# Altium PCB waffling80-NMB.PcbDoc (part 1 of 3)
Units mm, origin at the board's own origin, x right, y up, seen from the top; angles counter-clockwise.
Board outline 343.71 x 123.53 mm, 2 copper layers (Component Side, Bottom Layer), stack 1.171 mm thick; 246 components, 143 nets, 1022 pads, 157 vias.
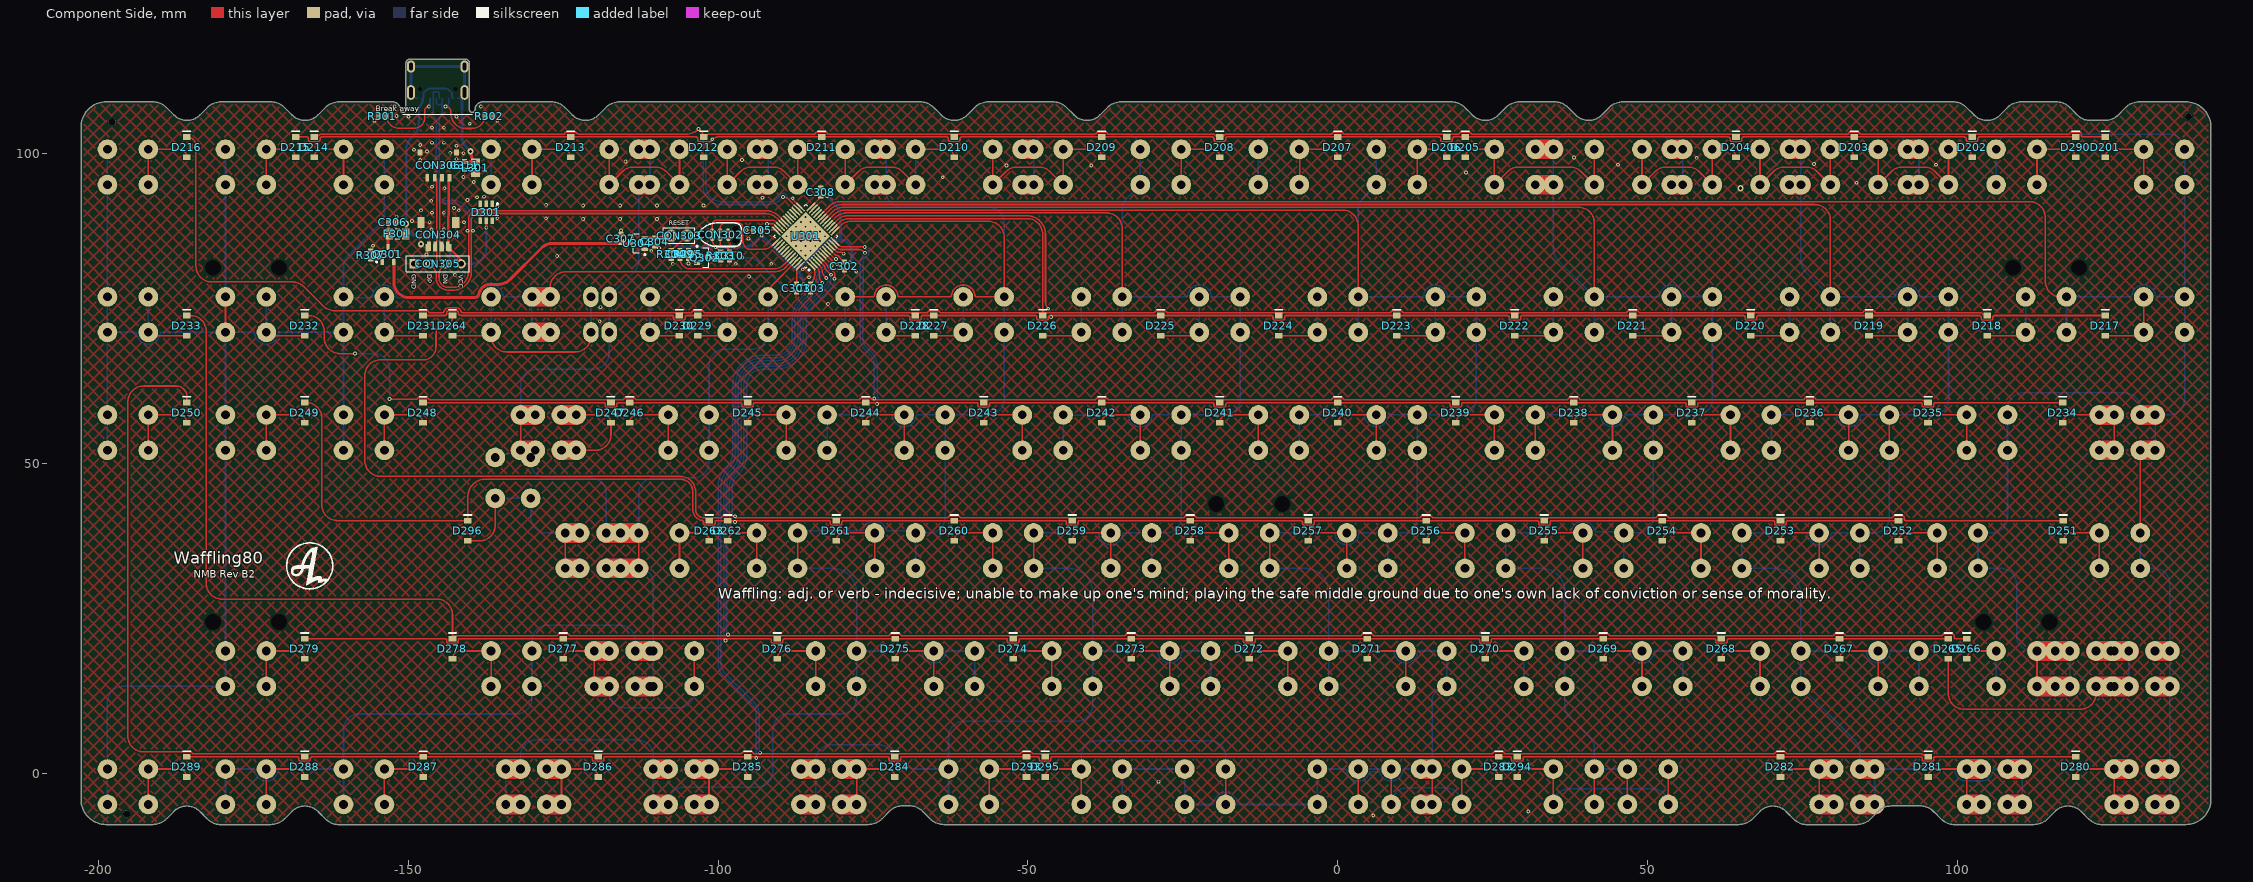
[diagram p0: Component Side view]
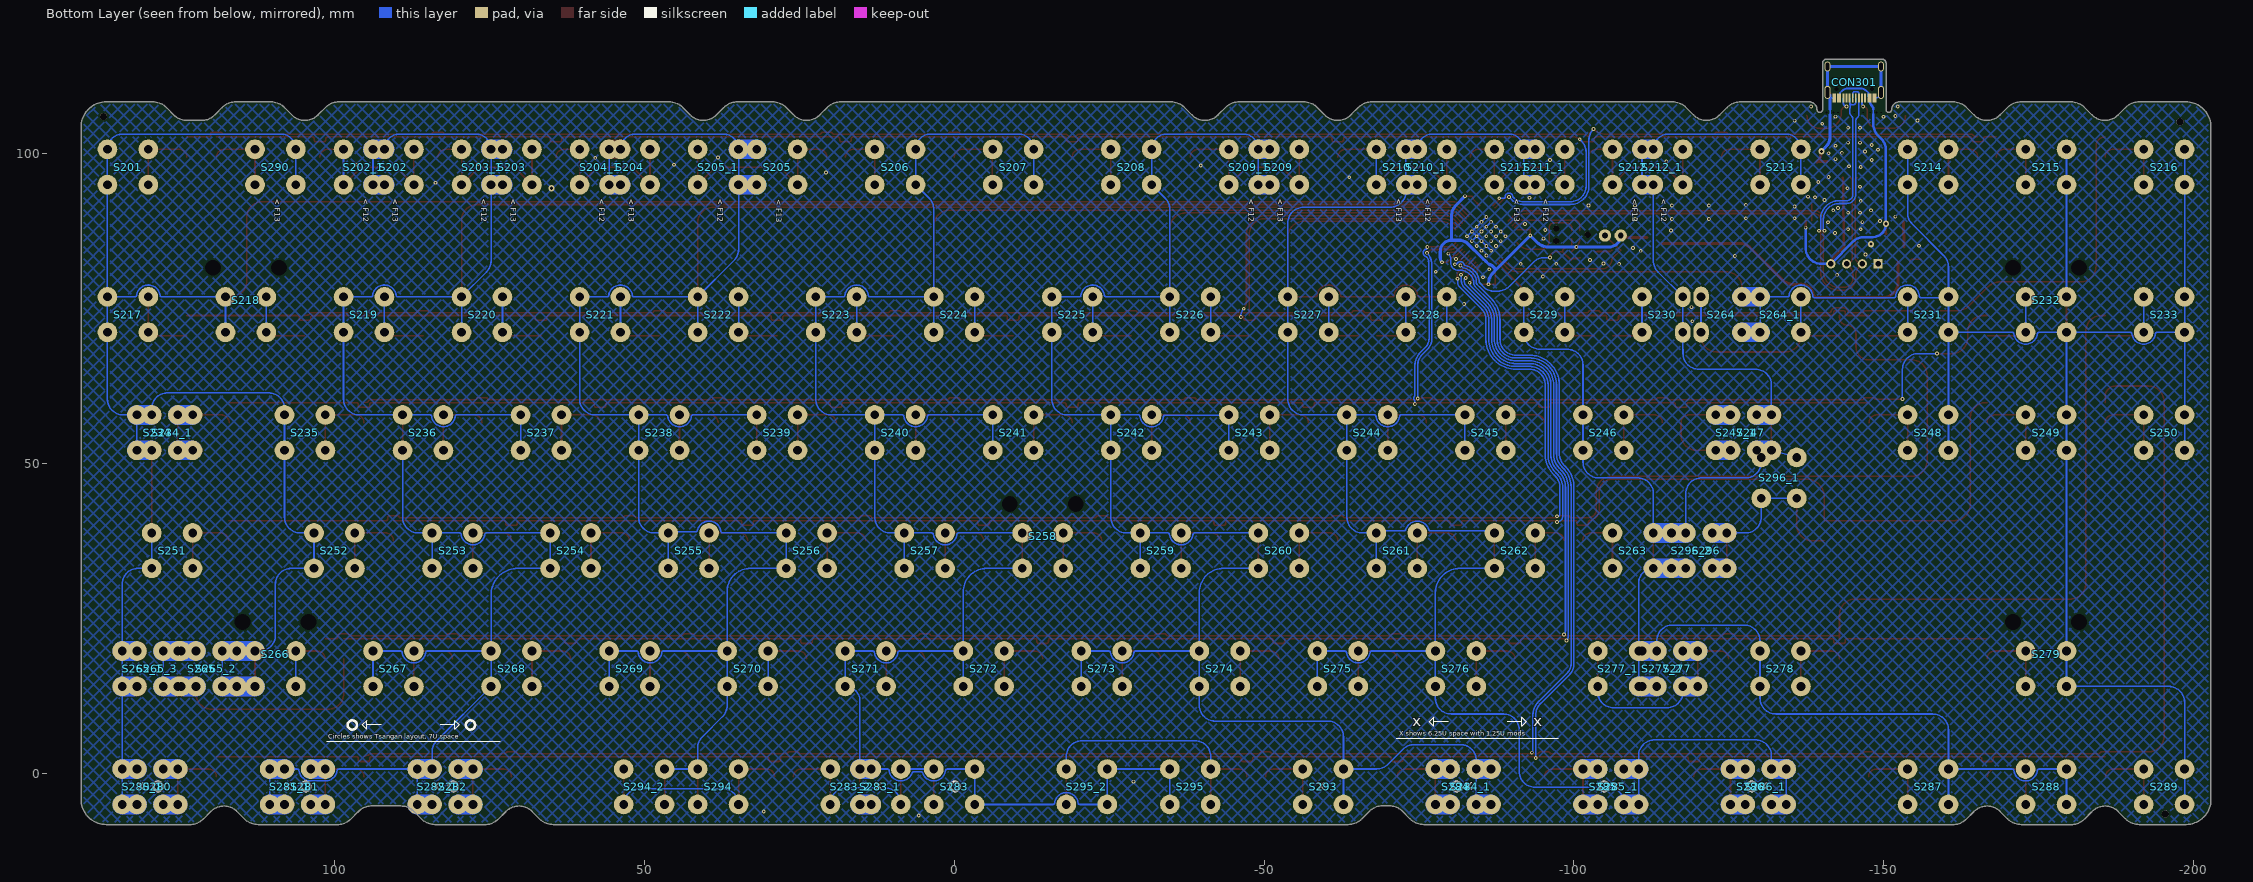
[diagram p1: Bottom Layer view, seen from below]

## Layer stack, top to bottom
Top Solder: solder mask 0.0102, Solder Resist, Dk 3.5
Component Side: signal copper 0.0356
Dielectric 1: core 1.1, FR-4, Dk 4.2
Bottom Layer: signal copper 0.0356
Solder Side: solder mask 0.0102, Solder Resist, Dk 3.5

## Board outline
-198.826,-8.321 ccw(c-198.825,-8.289) -198.825,-8.321 -198.826,-8.321 cw(c-198.762,-4.271) -202.812,-4.272 cw(c-202.763,-4.271) -202.812,-4.271 -202.812,104.254 cw(c-202.762,104.261) -202.813,104.261 cw(c-198.763,104.261) -198.763,108.312 -191.239,108.312 cw(c-191.239,105.195) -189.036,107.399 -187.966,106.329 cw(c-188.001,106.293) -187.963,106.326 ccw(c-185.737,108.261) -183.635,106.192 cw(c-183.597,106.154) -183.635,106.192 -182.428,107.399 cw(c-180.224,105.195) -180.224,108.312 -172.189,108.312 cw(c-172.189,105.195) -169.986,107.399 -168.916,106.329 cw(c-168.951,106.293) -168.913,106.326 ccw(c-166.687,108.261) -164.585,106.192 cw(c-164.547,106.154) -164.585,106.192 -163.378,107.399 cw(c-161.174,105.195) -161.174,108.312 -152.542,108.312 cw(c-152.542,107.056) -151.286,107.056 ccw(c-150.836,107.056) -150.387,107.056 -150.387,114.551 cw(c-149.726,114.551) -149.726,115.212 -140.786,115.212 cw(c-140.786,114.568) -140.142,114.568 -140.142,107.055 ccw(c-139.693,107.055) -139.243,107.055 cw(c-137.987,107.055) -137.987,108.312 -126.93,108.312 cw(c-126.93,105.195) -124.726,107.399 -123.656,106.329 cw(c-123.692,106.293) -123.654,106.326 ccw(c-121.428,108.261) -119.326,106.192 cw(c-119.288,106.154) -119.325,106.192 -118.119,107.399 cw(c-115.915,105.195) -115.916,108.312 cw(c-115.915,108.263) -115.915,108.312 -67.415,108.312 cw(c-67.415,105.195) -65.212,107.399 -64.142,106.329 cw(c-64.177,106.293) -64.139,106.326 ccw(c-61.913,108.261) -59.811,106.192 cw(c-59.773,106.154) -59.811,106.192 -58.604,107.399 cw(c-56.4,105.195) -56.4,108.312 -45.984,108.312 cw(c-45.984,105.195) -43.781,107.399 -42.711,106.329 cw(c-42.746,106.293) -42.708,106.326 ccw(c-40.482,108.261) -38.38,106.192 cw(c-38.342,106.154) -38.38,106.192 -37.173,107.399 cw(c-34.969,105.195) -34.97,108.312 cw(c-34.97,107.533) -34.969,108.312 17.21,108.312 18.296,108.312 cw(c18.296,105.195) 20.499,107.399 21.569,106.329 cw(c21.535,106.294) 21.572,106.326 ccw(c23.798,108.261) 25.9,106.192 cw(c25.924,106.168) 25.9,106.192 27.107,107.399 cw(c29.311,105.195) 29.311,108.312 34.979,108.312 cw(c34.979,105.195) 37.182,107.399 38.252,106.329 cw(c38.218,106.294) 38.255,106.326 ccw(c40.481,108.261) 42.583,106.192 cw(c42.607,106.168) 42.583,106.192 43.79,107.399 cw(c45.994,105.195) 45.994,108.312 47.844,108.312 cw(c47.844,108.29) 47.845,108.312 97.357,108.312 99.273,108.312 cw(c99.273,105.195) 101.476,107.399 102.546,106.329 cw(c102.512,106.294) 102.549,106.326 ccw(c104.775,108.261) 106.877,106.192 cw(c106.901,106.168) 106.877,106.192 108.084,107.399 cw(c110.288,105.195) 110.288,108.312 115.947,108.312 cw(c115.947,105.195) 118.151,107.399 119.181,106.369 cw(c119.147,106.334) 119.184,106.366 ccw(c121.444,108.262) 121.451,105.312 ccw(c121.45,105.421) 121.451,105.312 ccw(c121.451,105.3) 121.451,105.312 123.825,105.312 ccw(c123.851,108.323) 123.826,105.312 ccw(c123.826,105.572) 123.826,105.312 ccw(c123.825,108.261) 125.886,106.152 127.134,107.399 cw(c129.337,105.195) 129.337,108.312 136.843,108.312 cw(c136.85,108.262) 136.85,108.312 cw(c136.85,104.262) 140.9,104.262 cw(c140.878,104.262) 140.9,104.261 140.9,-4.263 cw(c140.851,-4.27) 140.901,-4.271 cw(c136.851,-4.271) 136.851,-8.321 123.355,-8.321 cw(c123.355,-5.204) 121.152,-7.408 120.082,-6.338 cw(c120.117,-6.302) 120.079,-6.335 ccw(c117.853,-8.27) 115.751,-6.201 cw(c115.713,-6.163) 115.751,-6.201 114.544,-7.408 cw(c112.34,-5.204) 112.34,-8.321 99.545,-8.321 cw(c99.545,-5.204) 97.342,-7.408 96.272,-6.338 cw(c96.307,-6.302) 96.269,-6.335 ccw(c94.043,-8.27) 94.142,-5.323 cw(c94.144,-5.272) 94.131,-5.321 89.297,-5.321 ccw(c89.297,-8.27) 87.196,-6.201 cw(c87.158,-6.163) 87.195,-6.201 85.988,-7.408 cw(c83.785,-5.204) 83.785,-8.321 75.735,-8.321 cw(c75.735,-5.204) 73.532,-7.408 72.462,-6.338 cw(c72.497,-6.302) 72.459,-6.335 ccw(c70.233,-8.27) 68.131,-6.201 cw(c68.093,-6.163) 68.131,-6.201 66.924,-7.408 cw(c64.72,-5.204) 64.72,-8.321 -63.576,-8.321 -63.578,-8.321 cw(c-63.578,-5.204) -65.781,-7.408 -66.868,-6.321 cw(c-66.833,-6.285) -66.871,-6.318 ccw(c-69.097,-8.254) -69.097,-5.304 cw(c-69.097,-5.254) -69.097,-5.304 -70.257,-5.304 ccw(c-70.257,-8.254) -72.358,-6.184 cw(c-72.396,-6.146) -72.359,-6.184 -73.582,-7.408 cw(c-75.786,-5.204) -75.786,-8.321 -161.184,-8.321 -161.185,-8.321 ccw(c-161.184,-8.261) -161.184,-8.321 -161.185,-8.321 cw(c-161.185,-5.204) -163.388,-7.408 -164.458,-6.338 cw(c-164.423,-6.302) -164.461,-6.335 ccw(c-166.687,-8.27) -168.789,-6.201 cw(c-168.827,-6.163) -168.789,-6.201 -169.996,-7.408 cw(c-172.2,-5.204) -172.2,-8.321 -180.235,-8.321 cw(c-180.235,-5.204) -182.438,-7.408 -183.508,-6.338 cw(c-183.473,-6.302) -183.511,-6.335 ccw(c-185.737,-8.27) -187.839,-6.201 cw(c-187.877,-6.163) -187.839,-6.201 -189.046,-7.408 cw(c-191.25,-5.204) -191.25,-8.321 -198.755,-8.321 cw(c-198.762,-8.271) -198.762,-8.321 cw(c-198.762,-4.271)

## Design rules (kind name [scope] priority, off if disabled: settings)
BoardOutlineClearance [All] p1: gap=0.254 ignorepadtopadclearanceinfootprint=FALSE except(0: Arc-SplitContinuation Track-SplitContinuation SMDPad-SplitContinuation THPad-SplitContinuation Via-SplitContinuation Fill-SplitContinuation Poly-SplitContinuation Region-SplitContinuation Text-SplitContinuation)
Clearance [All] p1: gap=0.2 ignorepadtopadclearanceinfootprint=FALSE except(0: Arc-Hole Track-Hole SMDPad-Hole THPad-Hole Via-Hole Fill-Hole Poly-Hole Region-Hole Text-Hole; 0.254: THPad-THPad THPad-Via THPad-Fill THPad-Poly THPad-Region THPad-Text Via-Via Via-Fill Via-Poly Via-Region Via-Text Fill-Fill Fill-Poly Fill-Region Fill-Text Poly-Poly Poly-Region Poly-Text Region-Region Region-Text Text-Text)
ComponentClearance [InComponent('No Component') And OnLayer('Component Side')] p1: gap=0.254 collisioncheckmode=3 verticalgap=0.254 showdistances=FALSE
DiffPairsRouting DiffPairsRouting_USB [InDifferentialPairClass('All Differential Pairs')] p1: maxlimit=0.254 minlimit=0.203 mostfreqgap=0.203 toplayer_minwidth=0.152 toplayer_maxwidth=0.381 toplayer_prefwidth=0.152 bottomlayer_minwidth=0.152 bottomlayer_maxwidth=0.381 bottomlayer_prefwidth=0.152 maxuncoupledlength=12.7
DiffPairsRouting [All] p2: maxlimit=0.254 minlimit=0.254 mostfreqgap=0.254 toplayer_minwidth=0.381 toplayer_maxwidth=0.381 toplayer_prefwidth=0.381 bottomlayer_minwidth=0.381 bottomlayer_maxwidth=0.381 bottomlayer_prefwidth=0.381 maxuncoupledlength=12.7
HoleSize [All] p1: absolutevalues=TRUE maxlimit=20 minlimit=0.025 maxpercent=80.000 minpercent=20.000
MatchedLengths MatchedLengths_USB_DiffPairs_1 [All] p1: tolerance=0.127 checknetsindiffpair=TRUE checkdiffpairvsdiffpair=FALSE checkxsignals=FALSE checkothers=FALSE
MatchedLengths MatchedLengths_USB_DiffPairs [All] p2: tolerance=0.127 checknetsindiffpair=TRUE checkdiffpairvsdiffpair=FALSE checkxsignals=FALSE checkothers=FALSE
PolygonConnect PolygonConnect_1 [All vs IsVia] p1: connectstyle=Direct reliefconductorwidth=0.254 reliefentries=4 polygonreliefangle="90 Angle" airgapwidth=0.254
PolygonConnect [All] p2: connectstyle=Relief reliefconductorwidth=0.254 reliefentries=4 polygonreliefangle="90 Angle" airgapwidth=0.254
RoutingVias [All] p1: holewidth=0.711 width=1.27 viastyle="Through Hole" minholewidth=0.711 minwidth=1.27 maxholewidth=0.711 maxwidth=1.27
SolderMaskExpansion [All] p1: expansion=0.102 istentingtop=FALSE
Width [All] p1: maxlimit=4 minlimit=0.203 preferedwidth=0.254 minimp=50.000000 maximp=50.000000 favimp=50.000000
27 further rules are at their usual default settings.

## Classes and differential pairs
component class Designator: C201 C202 C203 C204 C205 C206 D201 D202 D203 D204 D205 D206 D207 D208 D209 D210 D211 D212 D213 D214 D215 D216 D217 D218 D219 D220 D221 D222 D223 D224 D225 D226 D227 D228 D229 D230 D231 D232 D233 D234 D235 D236 D237 D238 D239 D240 D241 D242 D243 D244 D245 D246 D247 D248 D249 D250 D251 D252 D253 D254 D255 D256 D257 D258 D259 D260 D261 D262 D263 D264 D265 D266 D267 D268 D269 D270 D271 D272 D273 D274 D275 D276 D277 D278 D279 D280 D281 D282 D283 D284 D285 D286 D287 D288 D289 D290 D293 D294 D295 D296 S201 S202 S202_1 S203 S203_1 S204 S204_1 S205 S205_1 S206 S207 S208 S209 S209_1 S210 S210_1 S211 S211_1 S212 S212_1 S213 S214 S215 S216 S217 S218 S219 S220 S221 S222 S223 S224 S225 S226 S227 S228 S229 S230 S231 S232 S233 S234 S234_1 S235 S236 S237 S238 S239 S240 S241 S242 S243 S244 S245 S246 S247 S247_1 S248 S249 S250 S251 S252 S253 S254 S255 S256 S257 S258 S259 S260 S261 S262 S263 S264 S264_1 S265 S265_1 S265_2 S265_3 S266 S267 S268 S269 S270 S271 S272 S273 S274 S275 S276 S277 S277_1 S277_2 S278 S279 S280 S280_1 S281 S281_1 S282 S282_1 S283 S283_1 S283_2 S284 S284_1 S285 S285_1 S286 S286_1 S287 S288 S289 S290 S293 S294 S294_2 S295 S295_2 S296 S296_1 S296_2
differential pair D: +D_P -D_N

## Components (designator, comment, footprint, x,y, rotation, side; value= is the part's Value field where it differs from the comment)
C301 "" C0603[1608] -87.376,78.232 r90 top value=0.1uF
C302 "" C0603[1608] -79.629,81.788 r90 top value=0.1uF
C303 "" C0603[1608] -85.09,78.232 r90 top value=0.1uF
C304 "" C0603[1608] -110.255,85.725 r90 top value=0.1uF
C305 "" C0603[1608] -93.65,87.606 r0 top value=0.1uF
C306 "" C0603[1608] -152.527,88.9 r180 top value=4.7uF
C307 "" C0603[1608] -115.697,86.233 r270 top value=1uF
C308 "" C0603[1608] -83.439,93.726 r270 top value=0.1uF
C309 "" C0603[1608] -106.172,83.693 r90 top value=4.7uF
C310 "" C0603[1608] -98.171,83.439 r270 top value=470nF
C311 "" C0603[1608] -140.926,98.044 r90 top value=0.1uF
CON301 "TYPE-C-31-M-12" TYPE-C-31-M-12 -145.257,108.92 r0 bottom
CON302 "TC2030-IDC" TC2030-IDC-NL -99.695,86.868 r0 top
CON303 "Header 2" HDR1X2 -105.029,86.741 r180 top
CON304 "Header 5" UDB_combo_JST_MOLEX -145.161,87 r180 top
CON305 "Header 4" HDR1X4 -141.477,82.168 r180 top
CON306 "Header 5" "Molex 781710004" -145.161,98.25 r180 top locked
D201 "Diode" SOD-123 123.825,101.012 r270 top
D202 "Diode" SOD-123 102.362,101.012 r270 top
D203 "Diode" SOD-123 83.312,101.012 r270 top
D204 "Diode" SOD-123 64.262,101.012 r270 top
D205 "Diode" SOD-123 20.549,101.012 r270 top
D206 "Diode" SOD-123 17.549,101.012 r270 top
D207 "Diode" SOD-123 0,101.012 r270 top
D208 "Diode" SOD-123 -19.05,101.012 r270 top
D209 "Diode" SOD-123 -38.1,101.012 r270 top
D210 "Diode" SOD-123 -61.913,101.012 r270 top
D211 "Diode" SOD-123 -83.312,101.012 r270 top
D212 "Diode" SOD-123 -102.362,101.012 r270 top
D213 "Diode" SOD-123 -123.825,101.012 r270 top
D214 "Diode" SOD-123 -165.188,101.012 r270 top
D215 "Diode" SOD-123 -168.188,101.012 r270 top
D216 "Diode" SOD-123 -185.737,101.012 r270 top
D217 "Diode" SOD-123 123.825,72.2 r270 top
D218 "Diode" SOD-123 104.775,72.2 r270 top
D219 "Diode" SOD-123 85.725,72.2 r270 top
D220 "Diode" SOD-123 66.675,72.2 r270 top
D221 "Diode" SOD-123 47.625,72.2 r270 top
D222 "Diode" SOD-123 28.575,72.2 r270 top
D223 "Diode" SOD-123 9.525,72.2 r270 top
D224 "Diode" SOD-123 -9.525,72.2 r270 top
D225 "Diode" SOD-123 -28.575,72.2 r270 top
D226 "Diode" SOD-123 -47.625,72.2 r270 top
D227 "Diode" SOD-123 -65.175,72.2 r270 top
D228 "Diode" SOD-123 -68.175,72.2 r270 top
D229 "Diode" SOD-123 -103.275,72.2 r270 top
D230 "Diode" SOD-123 -106.275,72.2 r270 top
D231 "Diode" SOD-123 -147.637,72.2 r270 top
D232 "Diode" SOD-123 -166.687,72.2 r270 top
D233 "Diode" SOD-123 -185.737,72.2 r270 top
D234 "Diode" SOD-123 117,58.15 r270 top
D235 "Diode" SOD-123 95.25,58.15 r270 top
D236 "Diode" SOD-123 76.2,58.15 r270 top
D237 "Diode" SOD-123 57.15,58.15 r270 top
D238 "Diode" SOD-123 38.1,58.15 r270 top
D239 "Diode" SOD-123 19.05,58.15 r270 top
D240 "Diode" SOD-123 0,58.15 r270 top
D241 "Diode" SOD-123 -19.05,58.15 r270 top
D242 "Diode" SOD-123 -38.1,58.15 r270 top
D243 "Diode" SOD-123 -57.15,58.15 r270 top
D244 "Diode" SOD-123 -76.2,58.15 r270 top
D245 "Diode" SOD-123 -95.25,58.15 r270 top
D246 "Diode" SOD-123 -114.3,58.15 r270 top
D247 "Diode" SOD-123 -117.3,58.15 r270 top
D248 "Diode" SOD-123 -147.637,58.15 r270 top
D249 "Diode" SOD-123 -166.687,58.15 r270 top
D250 "Diode" SOD-123 -185.737,58.15 r270 top
D251 "Diode" SOD-123 117.1,39.1 r270 top
D252 "Diode" SOD-123 90.487,39.1 r270 top
D253 "Diode" SOD-123 71.437,39.1 r270 top
D254 "Diode" SOD-123 52.387,39.1 r270 top
D255 "Diode" SOD-123 33.337,39.1 r270 top
D256 "Diode" SOD-123 14.287,39.1 r270 top
D257 "Diode" SOD-123 -4.763,39.1 r270 top
D258 "Diode" SOD-123 -23.813,39.1 r270 top
D259 "Diode" SOD-123 -42.863,39.1 r270 top
D260 "Diode" SOD-123 -61.913,39.1 r270 top
D261 "Diode" SOD-123 -80.963,39.1 r270 top
D262 "Diode" SOD-123 -98.43,39.1 r270 top
D263 "Diode" SOD-123 -101.43,39.1 r270 top
D264 "Diode" SOD-123 -142.875,72.2 r270 top
D265 "Diode" SOD-123 98.515,20.05 r270 top
D266 "Diode" SOD-123 101.515,20.05 r270 top
D267 "Diode" SOD-123 80.962,20.05 r270 top
D268 "Diode" SOD-123 61.912,20.05 r270 top
D269 "Diode" SOD-123 42.862,20.05 r270 top
D270 "Diode" SOD-123 23.812,20.05 r270 top
D271 "Diode" SOD-123 4.763,20.05 r270 top
D272 "Diode" SOD-123 -14.287,20.05 r270 top
D273 "Diode" SOD-123 -33.337,20.05 r270 top
D274 "Diode" SOD-123 -52.387,20.05 r270 top
D275 "Diode" SOD-123 -71.438,20.05 r270 top
D276 "Diode" SOD-123 -90.488,20.05 r270 top
D277 "Diode" SOD-123 -124.968,20.05 r270 top
D278 "Diode" SOD-123 -142.875,20.05 r270 top
D279 "Diode" SOD-123 -166.687,20.05 r270 top
D280 "Diode" SOD-123 119.062,1 r270 top
D281 "Diode" SOD-123 95.25,1 r270 top
D282 "Diode" SOD-123 71.437,1 r270 top
D283 "Diode" SOD-123 25.956,1 r270 top
D284 "Diode" SOD-123 -71.495,1 r270 top
D285 "Diode" SOD-123 -95.244,1 r270 top
D286 "Diode" SOD-123 -119.374,1 r270 top
D287 "Diode" SOD-123 -147.568,1 r270 top
D288 "Diode" SOD-123 -166.745,1 r270 top
D289 "Diode" SOD-123 -185.795,1 r270 top
D290 "Diode" SOD-123 119.063,101.012 r270 top
D293 "Diode" SOD-123 -50.24,1 r270 top
D294 "Diode" SOD-123 28.956,1 r270 top
D295 "Diode" SOD-123 -47.24,1 r270 top
D296 "Diode" SOD-123 -140.417,39.1 r270 top
D301 "SRV05" SOT-23-6 -137.439,90.487 r90 top
F301 "Fuse Thermal" C1206[3216] -151.765,86.995 r0 top
L301 "Inductor" L0805 -139.192,97.663 r90 top
Q301 "PMOS-2" SOT-23-3 -153.289,83.693 r270 top
Q302 "2N7002 NMOS" SOT-23-3 -102.199,83.185 r180 top
R301 "Res1" R0603[1608] -154.178,106 r180 top value=5k1
R302 "Res1" R0603[1608] -136.973,106 r0 top value=5k1
R303 "Res1" R0603[1608] -99.568,83.439 r270 top value=10K
R304 "Res1" R0603[1608] -107.569,83.693 r270 top value=10K
R305 "Res1" R0603[1608] -104.79,83.693 r270 top value=100K
R307 "Res1" R0603[1608] -156.083,83.566 r90 top value=10K
S201 "NMB" "NMB-Switch 1U - switched pol  - no allignment pins"#1 133.349,100.012 r180 bottom locked
S202 "NMB" "NMB-Switch 1U - switched pol  - no allignment pins"#1 90.487,100.012 r180 bottom locked
S202_1 "NMB" "NMB-Switch 1U - no allignment pins"#1 95.249,100.012 r180 bottom locked
S203 "NMB" "NMB-Switch 1U - switched pol  - no allignment pins"#1 71.438,100.012 r180 bottom locked
S203_1 "NMB" "NMB-Switch 1U - no allignment pins"#1 76.199,100.012 r180 bottom locked
S204 "NMB" "NMB-Switch 1U - switched pol  - no allignment pins"#1 52.387,100.012 r180 bottom locked
S204_1 "NMB" "NMB-Switch 1U - no allignment pins"#1 57.149,100.012 r180 bottom locked
S205 "NMB" "NMB-Switch 1U - switched pol  - no allignment pins"#1 28.574,100.012 r180 bottom locked
S205_1 "NMB" "NMB-Switch 1U - no allignment pins"#1 38.099,100.012 r180 bottom locked
S206 "NMB" "NMB-Switch 1U - no allignment pins"#1 9.524,100.012 r180 bottom locked
S207 "NMB" "NMB-Switch 1U - no allignment pins"#1 -9.526,100.012 r180 bottom locked
S208 "NMB" "NMB-Switch 1U - no allignment pins"#1 -28.576,100.012 r180 bottom locked
S209 "NMB" "NMB-Switch 1U - switched pol  - no allignment pins"#1 -52.389,100.012 r180 bottom locked
S209_1 "NMB" "NMB-Switch 1U - no allignment pins"#1 -47.626,100.012 r180 bottom locked
S210 "NMB" "NMB-Switch 1U - no allignment pins"#1 -71.439,100.012 r180 bottom locked
S210_1 "NMB" "NMB-Switch 1U - switched pol  - no allignment pins"#1 -76.201,100.012 r180 bottom locked
S211 "NMB" "NMB-Switch 1U - no allignment pins"#1 -90.489,100.012 r180 bottom locked
S211_1 "NMB" "NMB-Switch 1U - switched pol  - no allignment pins"#1 -95.251,100.012 r180 bottom locked
S212 "NMB" "NMB-Switch 1U - no allignment pins"#1 -109.539,100.012 r180 bottom locked
S212_1 "NMB" "NMB-Switch 1U - switched pol  - no allignment pins"#1 -114.301,100.012 r180 bottom locked
S213 "NMB" "NMB-Switch 1U - no allignment pins"#1 -133.351,100.012 r180 bottom locked
S214 "NMB" "NMB-Switch 1U - switched pol  - no allignment pins"#1 -157.162,100.012 r180 bottom locked
S215 "NMB" "NMB-Switch 1U - no allignment pins"#1 -176.213,100.012 r180 bottom locked
S216 "NMB" "NMB-Switch 1U - no allignment pins"#1 -195.262,100.012 r180 bottom locked
S217 "NMB" "NMB-Switch 1U - switched pol  - no allignment pins"#1 133.349,76.2 r180 bottom locked
S218 "NMB" "NMB-Switch 1U - switched pol" 114.299,76.2 r180 bottom locked
S219 "NMB" "NMB-Switch 1U - switched pol  - no allignment pins"#1 95.249,76.2 r180 bottom locked
S220 "NMB" "NMB-Switch 1U - switched pol  - no allignment pins"#1 76.199,76.2 r180 bottom locked
S221 "NMB" "NMB-Switch 1U - switched pol  - no allignment pins"#1 57.149,76.2 r180 bottom locked
S222 "NMB" "NMB-Switch 1U - switched pol  - no allignment pins"#1 38.099,76.2 r180 bottom locked
S223 "NMB" "NMB-Switch 1U - switched pol  - no allignment pins"#1 19.049,76.2 r180 bottom locked
S224 "NMB" "NMB-Switch 1U - switched pol  - no allignment pins"#1 -0.001,76.2 r180 bottom locked
S225 "NMB" "NMB-Switch 1U - switched pol  - no allignment pins"#1 -19.051,76.2 r180 bottom locked
S226 "NMB" "NMB-Switch 1U - switched pol  - no allignment pins"#1 -38.101,76.2 r180 bottom locked
S227 "NMB" "NMB-Switch 1U - switched pol  - no allignment pins"#1 -57.151,76.2 r180 bottom locked
S228 "NMB" "NMB-Switch 1U - no allignment pins"#1 -76.201,76.2 r180 bottom locked
S229 "NMB" "NMB-Switch 1U - switched pol  - no allignment pins"#1 -95.251,76.2 r180 bottom locked
S230 "NMB" "NMB-Switch 1U - no allignment pins"#2 -114.301,76.2 r180 bottom locked
S231 "NMB" "NMB-Switch 1U - no allignment pins"#1 -157.162,76.2 r180 bottom locked
S232 "NMB" "NMB-Switch 1U" -176.213,76.2 r180 bottom locked
S233 "NMB" "NMB-Switch 1U - no allignment pins"#1 -195.262,76.2 r180 bottom locked
S234 "NMB" "NMB-Switch 1U - switched pol  - no allignment pins"#1 128.587,57.15 r180 bottom locked
S234_1 "NMB" "NMB-Switch 1U - switched pol  - no allignment pins"#2 126.206,57.15 r180 bottom
S235 "NMB" "NMB-Switch 1U - switched pol  - no allignment pins"#1 104.774,57.15 r180 bottom locked
S236 "NMB" "NMB-Switch 1U - switched pol  - no allignment pins"#1 85.724,57.15 r180 bottom locked
S237 "NMB" "NMB-Switch 1U - switched pol  - no allignment pins"#1 66.674,57.15 r180 bottom locked
S238 "NMB" "NMB-Switch 1U - switched pol  - no allignment pins"#1 47.624,57.15 r180 bottom locked